# Altium PCB CANOPi_Topboard.PcbDoc (part 2 of 2) (continued)
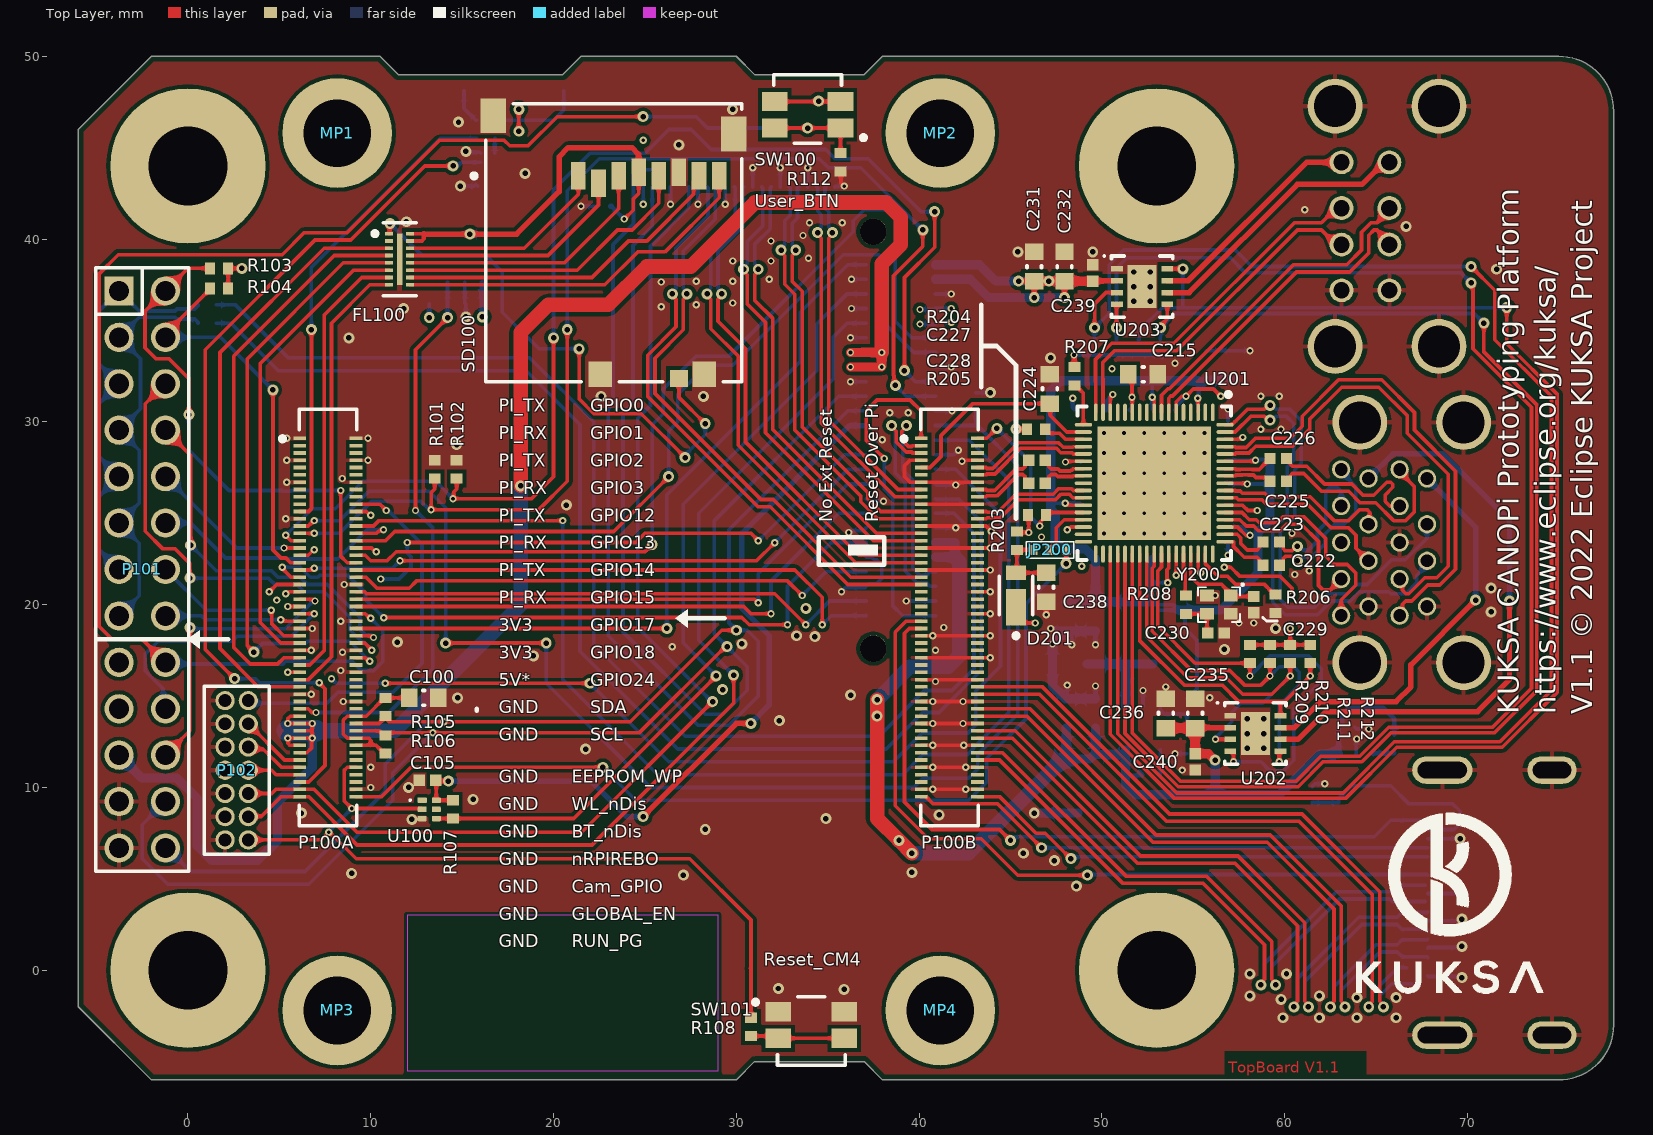
[diagram p0: Top Layer view]
## Nets (pads, with @x,y where several pads share a name; then routed paths per layer and width w, separated by ;. In a path a pad name is that pad's centre, name@x,y a point inside that pad or via, vN(x,y) a via of type N, cw(c..) or ccw(c..) an arc to the next point about the centre after c; other vN are vias at no path point) (continued)
  Bottom Layer w0.2: v2(60.5,-2) 60.5,-1.892 60.7,-1.692 60.7,-0.45 64.05,2.9 66.161,2.9 66.421,3.16 67.785,3.16 J100.9@67.825,3.2
HDMI0_D0_P: J100.7 P100B.82 | length 36.5
  Top Layer w0.2: P100B.82@43.19,13.1 45.266,13.1 52.116,6.25 57.45,6.25 61.1,2.6 61.1,-1.692 61.3,-1.892 v2(61.3,-2)
  Bottom Layer w0.2: v2(61.3,-2) 61.3,-1.892 61.1,-1.692 61.1,-0.616 64.216,2.5 66.161,2.5 66.421,2.24 67.785,2.24 J100.7@67.825,2.2
HDMI0_D1_N: J100.6 P100B.78 | length 36.7
  Top Layer w0.2: P100B.78@43.19,13.9 45.9,13.9 52.8,7 59.05,7 62.7,3.35 62.7,-1.692 62.5,-1.892 v2(62.5,-2)
  Bottom Layer w0.2: v2(62.5,-2) 62.5,-1.892 62.7,-1.692 62.7,-0.9 65,1.4 66.161,1.4 66.421,1.66 67.785,1.66 J100.6@67.825,1.7
HDMI0_D1_P: J100.4 P100B.76 | length 36.7
  Top Layer w0.2: P100B.76@43.19,14.3 46.066,14.3 52.966,7.4 59.216,7.4 63.1,3.516 63.1,-1.692 63.3,-1.892 v2(63.3,-2)
  Bottom Layer w0.2: v2(63.3,-2) 63.3,-1.892 63.1,-1.692 63.1,-1.1 65.2,1 66.161,1 66.421,0.74 67.785,0.74 J100.4@67.825,0.7
HDMI0_D2_N: J100.3 P100B.72 | length 35.7
  Top Layer w0.2: P100B.72@43.19,15.1 46.584,15.1 53.534,8.15 60.784,8.15 64.8,4.134 64.8,-1.692 64.6,-1.892 v2(64.6,-2)
  Bottom Layer w0.2: v2(64.6,-2) 64.6,-1.892 64.8,-1.692 64.8,-1.234 66.174,0.14 J100.3@66.667,0.14
HDMI0_D2_P: J100.1 P100B.70 | length 35.7
  Top Layer w0.2: P100B.70@43.19,15.5 46.75,15.5 53.7,8.55 60.95,8.55 65.2,4.3 65.2,-1.692 65.4,-1.892 v2(65.4,-2)
  Bottom Layer w0.2: v2(65.4,-2) 65.4,-1.892 65.2,-1.692 65.2,-1.4 65.86,-0.74 J100.1@66.95,-0.74
HDMI0_HOTPLUG: J100.19 P100B.53 | length 40.2
  Top Layer w0.2: P100B.53@40.12,18.7 40.11,18.7 39.466,18.7 39.2,18.434 39.2,9.2 40.7,7.7 44.4,7.7 v2(45,7.1)
  Bottom Layer w0.2: v2(45,7.1) 45.2,7.3 64.9,7.3 65.8,8.2 J100.19@67.825,8.2
HDMI0_SCL: J100.15 P100B.100 | length 26.1
  Top Layer w0.2: P100B.100@43.2,9.5 44.4,9.5 46.4,7.5 46.9,7.5 v2(48.3,6.1)
  Bottom Layer w0.2: v2(48.3,6.1) 48.4,6.2 J100.15@67.825,6.2
HDMI0_SDA: J100.16 P100B.99 | length 28.9
  Top Layer w0.2: P100B.99@40.12,9.5 40.37,9.5 40.77,9.1 44.3,9.1 v2(46.7,6.7)
  Bottom Layer w0.2: v2(46.7,6.7) 50.533,6.7 J100.16@67.825,6.7
HDMI_5V: C104.2 J100.18 U102.5 | length 11.8
  Bottom Layer w0.2: C104.2@61.5,9.15 61.525,9.175 U102.5@62.95,9.175 62.95,9.4 63.65,10.1 65.8,10.1 66.8,9.1 69.2,9.1 69.6,8.7 69.6,8.049 69.251,7.7 J100.18@67.825,7.7
MISO_CAN: J202.8 P100A.40 | length 29.2
  Top Layer w0.2: P100A.40@9.2,21.5 9.743,21.5 10.343,20.9 12.1,20.9 12.5,21.3 32.8,21.3 v1(33.6,20.5)
  Bottom Layer w0.2: v1(33.6,20.5) 34.9,21.8 J202.8@37.1,21.8
MOSI_CAN: J202.4 P100A.44 | length 29.2
  Top Layer w0.2: P100A.44@9.2,20.7 9.664,20.7 9.764,20.6 32.1,20.6 v1(33.8,18.9)
  Bottom Layer w0.2: v1(33.8,18.9) 35.1,20.2 J202.4@37.1,20.2
nCS1_CAN: J202.12 P100A.39 | length 37.9
  Top Layer w0.2: v1(5.15,22.05) 5.188,22.012 5.188,21.947 5.636,21.5 6.11,21.5 P100A.39@6.12,21.5 ; v1(10.712,19.288) 10.723,19.3 30.3,19.3 30.7,18.9 v1(32.8,18.9)
  Bottom Layer w0.2: v1(5.15,22.05) 6.143,22.05 6.693,21.5 7.107,21.5 7.207,21.6 8.757,21.6 9.715,20.642 9.715,20.285 v1(10.712,19.288) ; v1(32.8,18.9) 32.8,21 35.2,23.4 J202.12@37.1,23.4
nCS2_CAN: J202.22 P100A.37 | length 33.3
  Top Layer w0.2: P100A.37@6.12,21.9 6.746,21.9 6.846,22 v1(6.9,22) ; v1(11.6,22.4) 31.108,22.4 v1(32.1,23.392)
  Bottom Layer w0.2: v1(6.9,22) 11.2,22 v1(11.6,22.4) ; v1(32.1,23.392) 36.108,27.4 J202.22@37.1,27.4
NetC230_2: C230.2 R208.2 Y200.3 | length 2.5
  Top Layer w0.2: R208.2@54.6,19.65 54.75,19.5 55.6,19.5 55.75,19.65 Y200.3@55.75,19.5 55.75,18.5 C230.2@55.8,18.45
NetC238_1: C238.1 D201.2 JP200.3 R203.1 | length 3.6
  Top Layer w0.2: JP200.3@46.25,23 45.375,23 R203.1@45.35,23 45.35,22 45.55,21.8 45.6,21.75 C238.1@46.95,21.75
NetD100_C: D100.C R110.2 | length 5
  Bottom Layer w0.2: R110.2@16.8,46.5 20,46.5 20.55,47.05 D100.C@20.55,48.1
NetD101_C: D101.C R111.2 | length 1.9
  Bottom Layer w0.2: D101.C@15.1,48.1 15.1,47.15 15.75,46.5 R111.2@15.8,46.5
NetP101_1: P101.1 P101.5 P101.9 P101.13 R113.1 | length 22.9
  Bottom Layer w0.2: P101.13@-3.771,21.925 -4.871,23.025 -4.871,25.905 P101.9@-3.771,27.005 -4.871,28.105 -4.871,30.985 P101.5@-3.771,32.085 -4.871,33.185 -4.871,36.065 P101.1@-3.771,37.165 -2.671,36.065 -0.711,36.065 -0.601,36.175 0.375,36.175 0.55,36.35 R113.1@0.55,36.4
NetP101_3: P101.3 P101.7 P101.11 P101.15 R114.1 | length 23
  Bottom Layer w0.2: P101.15@-3.771,19.385 -2.671,20.485 -2.671,23.365 P101.11@-3.771,24.465 -2.671,25.565 -2.671,28.445 P101.7@-3.771,29.545 -2.6,30.716 -2.6,33.454 P101.3@-3.771,34.625 -2.671,35.725 -0.706,35.725 -0.606,35.625 0.375,35.625 0.55,35.45 R114.1@0.55,35.4
NetR108_2: R108.2 SW101.2 SW101.2' | length 5.2
  Top Layer w0.2: R108.2@30.8,-3.6 32.175,-3.6 SW101.2@32.3,-3.725 SW101.2'@35.9,-3.725
NetR110_1: R110.1 U103.4 | length 0.8
  Bottom Layer w0.2: U103.4@16.785,44.7 16.785,45.485 R110.1@16.8,45.5
NetR115_1: R115.1 U102.3 | length 1.2
  Bottom Layer w0.254: U102.3@64.85,11.825 64.887,11.863 65.963,11.863 R115.1@66,11.9
NetR201_1: R201.1 U200.4 | length 1.4
  Bottom Layer w0.2: R201.1@53.2,10.65 U200.4@53.2,12.05
NetR204_2: R204.2 U201.20 | length 2.3
  Top Layer w0.2: R204.2@46.9,29.6 46.9,29.55 47.075,29.375 47.679,29.375 48.009,29.045 U201.20@48.988,29.045
NetR206_2: R206.2 U201.50 | length 5
  Top Layer w0.2: U201.50@55.663,22.77 55.663,22.229 56.342,21.55 56.875,21.55 57.3,21.125 58.875,21.125 59.3,20.7 R206.2@59.5,20.7
NetR207_2: R207.2 U201.18 | length 2.4
  Top Layer w0.2: R207.2@48.5,32 48.55,32 48.988,31.562 U201.18@48.988,29.845
nINT1_CAN: J202.16 P100A.48 | length 31.4
  Top Layer w0.2: P100A.48@9.2,19.9 30.4,19.9 30.8,19.5 v1(31.9,19.5)
  Bottom Layer w0.2: v1(31.9,19.5) 31.9,21.3 35.6,25 J202.16@37.1,25
nINT2_CAN: J202.20 P100A.46 | length 31.6
  Top Layer w0.2: P100A.46@9.2,20.3 31,20.3 v1(31.2,20.1)
  Bottom Layer w0.2: v1(31.2,20.1) 31.2,21.7 36.1,26.6 J202.20@37.1,26.6
nLED_Activity: P100A.21 R111.1 | length 25.9
  Top Layer w0.2: P100A.21@6.12,25.1 6.594,25.1 6.76,25.266 6.76,35.04 v2(6.75,35.05)
  Bottom Layer w0.2: v2(6.75,35.05) 6.75,38.45 13.8,45.5 R111.1@15.8,45.5
nPWR_LED: P100A.95 U103.2 | length 49.1
  Top Layer w0.2: v2(2.55,15.95) 0.95,17.55 0.95,33.95 6.95,39.95 8.9,39.95 12.95,44 v2(14.5,44) ; P100A.95@6.12,10.3 6.6,10.3 7.5,11.2 7.5,15.4 v1(7.175,15.725)
  Bottom Layer w0.2: v2(2.55,15.95) 3.7,15.95 3.925,15.725 v1(7.175,15.725) ; v2(14.5,44) 14.75,44 14.95,44.2 U103.2@16.015,44.2
nRES_USB: JP200.2 P100A.100 | length 50.8
  Top Layer w0.2: P100A.100@9.19,9.5 10.6,9.5 12.2,11.1 v2(22.7,11.1) ; v2@48.042,22.25 48.048,22.256 48.048,22.998 JP200.2@48.05,23
  Bottom Layer w0.2: v2(22.7,11.1) 24.5,9.3 42.7,9.3 43.7,10.3 43.7,11.6 45.85,13.75 45.85,20.054 v2(48.046,22.25)
nRPIBOOT: P100A.93 P102.8 | length 2.9
  Top Layer w0.2: P102.8@3.3,10.94 4.58,10.94 4.82,10.7 P100A.93@6.11,10.7
PCIe_CLK_N: P100B.12 U201.22 | length 6.5
  Top Layer w0.2: P100B.12@43.19,27.1 43.664,27.1 43.714,27.15 44.15,27.15 45.55,28.55 47.514,28.55 47.755,28.309 48.384,28.309 48.447,28.245 U201.22@48.988,28.245
PCIe_CLK_nREQ: P100B.2 R205.2 U201.30 | length 10.7
  Top Layer w0.2: P100B.2@43.2,29.1 43.7,29.1 v2(44.25,29.65) ; v1(46.6,24.3) 46.638,24.338 46.638,24.538 46.95,24.85 R205.2@46.95,24.9 R205.2@47,24.85 ; R205.2@47.1,24.75 R205.2@47,24.85 ; U201.30@48.988,25.045 47.125,25.045 47,24.92 R205.2@47,24.85
  Bottom Layer w0.2: v2(44.25,29.65) 46.1,27.8 46.1,24.8 v1(46.6,24.3)
PCIe_CLK_P: P100B.10 U201.21 | length 6.5
  Top Layer w0.2: P100B.10@43.19,27.5 43.664,27.5 43.714,27.45 44.026,27.45 45.426,28.85 47.638,28.85 47.88,28.609 48.411,28.609 48.447,28.645 U201.21@48.988,28.645 U201.21@49,28.645
PCIe_nRST: C224.1 P100B.9 U201.19 | length 12
  Top Layer w0.2: P100B.9@40.11,27.5 40.6,27.5 41.2,28.1 41.2,29.25 42.95,31 C224.1@47.15,31 47.174,30.976 47.174,30.35 48.079,29.445 U201.19@48.988,29.445
PCIe_RX_N: C228.2 P100B.18 | length 3.6
  Top Layer w0.2: P100B.18@43.19,25.9 43.664,25.9 43.714,25.95 44.256,25.95 45.431,27.125 45.673,27.125 45.79,27.008 45.79,26.86 C228.2@46,26.65
PCIe_RX_P: C227.2 P100B.16 | length 3.6
  Top Layer w0.2: P100B.16@43.19,26.3 43.44,26.3 43.664,26.3 43.714,26.25 44.131,26.25 45.306,27.425 45.673,27.425 45.79,27.542 45.79,27.69 C227.2@46,27.9
PCIe_TX_N: P100B.24 U201.28 | length 6.4
  Top Layer w0.2: P100B.24@43.19,24.7 43.674,24.7 43.724,24.75 44.45,24.75 45.44,25.74 47.459,25.74 47.768,26.05 48.207,26.05 48.412,25.845 U201.28@48.988,25.845
PCIe_TX_P: P100B.22 U201.27 | length 6.4
  Top Layer w0.2: P100B.22@43.19,25.1 43.44,25.1 43.674,25.1 43.724,25.05 44.3,25.05 45.29,26.04 47.334,26.04 47.644,26.35 48.331,26.35 48.436,26.245 U201.27@48.988,26.245
PEXTX_N: C228.1 U201.25 | length 2.4
  Top Layer w0.2: C228.1@46.9,26.65 47.11,26.86 47.11,27.008 47.227,27.125 47.469,27.125 47.586,27.009 48.389,27.009 48.426,27.045 U201.25@48.988,27.045
PEXTX_P: C227.1 U201.24 | length 2.5
  Top Layer w0.2: C227.1@46.9,27.9 47.11,27.69 47.11,27.542 47.227,27.425 47.594,27.425 47.71,27.309 48.265,27.309 48.301,27.345 48.347,27.345 48.447,27.445 U201.24@48.988,27.445
PI-RX_STN-TX: J202.17 R114.2 | length 71.7
  Bottom Layer w0.2: R114.2@1.55,35.4 2.35,35.4 4.95,32.8 18.5,32.8 21.45,29.85 21.45,17.45 26.8,12.1 38.2,12.1 40.2,14.1 41.093,14.1 43.4,16.407 43.4,24.55 42.2,25.75 40.95,25.75 J202.17@40.9,25.8
PI-TX_STN-RX: J202.15 R113.2 | length 69.9
  Bottom Layer w0.2: R113.2@1.55,36.4 2.6,36.4 5.5,33.5 18.7,33.5 22.2,30 22.2,17.8 27.2,12.8 37.8,12.8 40.3,15.3 41.8,15.3 43,16.5 43,23.907 41.907,25 J202.15@40.9,25
RESET_LTE_MODUL: J202.31 P100A.27 R101.1 | length 67.3
  Top Layer w0.2: P100A.27@6.11,23.9 v1(6.9,23.9) ; R101.1@13.5,26.9 13.5,26.325 13.3,26.125 v1(13.3,25.2) 19.2,25.2 20.75,26.75 v2(20.75,35.05) ; v2(38.7,32) 38.623,32.077 38.623,32.528 38.6,32.551 38.6,38 40.2,39.6 v2(40.2,40.5)
  Bottom Layer w0.2: v1(6.9,23.9) 8.293,23.9 10.043,25.65 12.75,25.65 13.2,25.2 v1(13.3,25.2) ; v2(20.75,35.05) 20.75,42.65 22.5,44.4 34.54,44.4 35.04,43.9 36.8,43.9 v2(40.2,40.5) ; v2(38.7,32) 39.3,31.4 J202.31@40.9,31.4
RPI_RUNNING: J202.46 R107.1 U100.4 | length 44.9
  Top Layer w0.2: U100.4@13.585,8.3 R107.1@14.5,8.3 21.1,8.3 v2(28.9,16.1)
  Bottom Layer w0.2: v2(28.9,16.1) 27.1,17.9 27.1,25.5 34.4,32.8 34.4,35.35 36.05,37 J202.46@37.1,37
RUN_PG: P100A.92 P102.14 R108.1 U100.2 | length 43.7
  Top Layer w0.2: P102.14@3.3,7.13 7.288,7.13 v1(7.7,7.542) 7.758,7.542 9.2,6.1 27.45,6.1 30.8,2.75 30.8,0.075 ; P100A.92@9.19,11.1 8.716,11.1 8.54,10.924 8.54,9.276 v1(8.966,8.85) 12.765,8.85 U100.2@12.815,8.8 ; 30.775,0.1 30.8,0.075 ; R108.1@30.8,-2.6 30.8,0.075
  Bottom Layer w0.2: v1(7.7,7.542) 7.7,7.584 v1(8.966,8.85)
SCK_CAN: J202.2 P100A.38 | length 30.3
  Top Layer w0.2: P100A.38@9.2,21.9 33.2,21.9 34.7,20.4 v1(34.7,18.9)
  Bottom Layer w0.2: v1(34.7,18.9) 35.2,19.4 J202.2@37.1,19.4 J202.2@37.075,19.425
SCL0: J101.3 J202.30 P100A.80 P101.26 R105.1 | length 102.7
  Top Layer w0.2: P100A.80@9.19,13.5 10.45,13.5 10.8,13.85 R105.1@10.8,13.9 R105.1@10.75,13.9 ; R105.1@10.8,13.8 11,13.6 v1(14,13.6) 24.2,13.6 29.2,18.6 v2(30,18.6)
  Bottom Layer w0.2: P101.26@-1.231,6.685 -1.145,6.685 0.14,5.4 6.4,5.4 10.8,9.8 10.8,11.3 13.1,13.6 v1(14,13.6) ; J101.3@25.9,42.85 25.85,42.9 25.85,43.624 25.674,43.8 24.626,43.8 24.375,43.549 24.375,40.825 23.25,39.7 23.25,30.95 23,30.7 23,18.3 27.9,13.4 29.6,13.4 31.2,15 31.2,18 30.6,18.6 v2(30,18.6) 29.6,19 29.6,24.1 36.1,30.6 J202.30@37.1,30.6
SD_CLK: FL100.6 P100A.57 | length 26
  Top Layer w0.2: P100A.57@6.11,17.9 5.077,17.9 3.95,19.027 3.95,33.2 9.05,38.3 FL100.6@11,38.3
SD_CMD: FL100.5 P100A.62 | length 34
  Top Layer w0.2: v2(3.6,17.4) 3.25,17.75 3.25,33.45 8.5,38.7 FL100.5@11,38.7 ; P100A.62@9.2,17.1 9.696,17.1 9.896,16.9 v1(9.95,16.9)
  Bottom Layer w0.2: v2(3.6,17.4) 4.075,17.875 6.418,17.875 6.543,18 8.843,18 9.943,16.9 v1(9.95,16.9)
SD_DAT0: FL100.7 P100A.63 | length 24.4
  Top Layer w0.2: P100A.63@6.11,16.7 6.657,16.7 7.45,17.493 7.45,35.85 9.5,37.9 FL100.7@11,37.9
SD_DAT1: FL100.8 P100A.67 | length 24.5
  Top Layer w0.2: P100A.67@6.11,15.9 6.594,15.9 7.85,17.156 7.85,35.4 9.95,37.5 FL100.8@11,37.5
SD_DAT2: FL100.3 P100A.69 | length 33
  Top Layer w0.2: P100A.69@6.11,15.5 3.85,15.5 1.75,17.6 1.75,33.8 7.45,39.5 FL100.3@11,39.5
SD_DAT3: FL100.4 P100A.61 | length 30.9
  Top Layer w0.2: P100A.61@6.11,17.1 5.249,17.1 4.899,16.75 3.402,16.75 2.5,17.651 2.5,33.6 8,39.1 FL100.4@11,39.1
SD_PWR_ON: P100A.75 R109.2 U101.3 | length 30.6
  Top Layer w0.2: P100A.75@6.11,14.3 6.584,14.3 6.784,14.1 v1(7,14.1) ; v1(12.45,25.15) 12.45,33.95 v2(14.2,35.7)
  Bottom Layer w0.2: v1(7,14.1) 11,14.1 13.4,16.5 13.4,24.2 v1(12.45,25.15) ; v2(14.2,35.7) R109.2@14.2,36.45 U101.3@14.2,37.625
SDA0: J101.2 J202.32 P100A.82 P101.24 R106.1 | length 102.2
  Top Layer w0.2: P100A.82@9.19,13.1 10.5,13.1 10.75,12.85 R106.1@10.8,12.85 10.95,13 v1(13.4,13) 24.7,13 29.4,17.7 v2(29.5,17.7)
  Bottom Layer w0.2: P101.24@-1.231,9.225 -2.5,7.956 -2.5,6.1 -1.1,4.7 6.6,4.7 11.2,9.3 11.2,10.8 v1(13.4,13) ; J101.2@25.4,42.85 25.4,40.7 24.35,39.65 24.35,31.05 23.8,30.5 23.8,18.5 28.3,14 29.283,14 30.6,15.317 30.6,16.6 v2(29.5,17.7) 28.8,18.4 28.8,24.6 35.6,31.4 J202.32@37.1,31.4
SSRX1_N: J200.14 U201.56 | length 12
  Top Layer w0.2: U201.56@56.738,25.045 57.671,25.045 58.066,24.65 58.452,24.65 58.625,24.478 59.578,24.478 59.9,24.8 61.073,24.8 62.25,23.623 62.25,22.65 62.7,22.2 63.421,22.2 63.89,21.731 63.89,21.069 63.09,20.269 J200.14@63.09,19.4
SSRX1_P: J200.15 U201.55 | length 9.9
  Top Layer w0.2: U201.55@56.738,24.645 57.548,24.645 57.893,24.3 58.307,24.3 58.557,24.05 59.75,24.05 60.1,24.4 60.907,24.4 61.85,23.457 61.85,21.05 62.1,20.8 62.49,20.8 J200.15@63.09,21.4
SSRX2_N: J200.5 U201.65 | length 26.9
  Top Layer w0.2: U201.65@56.738,28.645 57.279,28.645 57.329,28.595 57.664,28.595 57.669,28.6 57.9,28.6 58.4,29.1 60.3,29.1 60.956,29.756 60.956,30.306 62.95,32.3 65.316,32.3 67.1,30.516 67.1,29.55 69.35,27.3 69.35,21.934 68.491,21.076 67.834,21.076 66.959,20.2 66.627,20.2 66.443,20.016 66.443,19.553 J200.5@66.29,19.4
SSRX2_P: J200.6 U201.64 | length 25.5
  Top Layer w0.2: U201.64@56.738,28.245 57.279,28.245 57.329,28.295 57.788,28.295 57.793,28.3 58.05,28.3 58.413,28.663 60.428,28.663 61.38,29.614 61.38,30.164 63.116,31.9 65.15,31.9 66.7,30.35 66.7,29.384 68.95,27.134 68.95,22.1 68.326,21.476 67.669,21.476 66.793,20.6 66.627,20.6 66.443,20.784 66.443,21.247 J200.6@66.29,21.4
SSTX1_HUB_N: C223.2 U201.53 | length 2.8
  Top Layer w0.2: U201.53@56.738,23.845 57.399,23.845 57.6,23.644 57.6,23.343 57.893,23.05 57.9,23.05 57.959,22.991 58.486,22.991 58.603,23.108 58.603,23.216 C223.2@58.813,23.426
SSTX1_HUB_P: C222.2 U201.52 | length 2.8
  Top Layer w0.2: U201.52@56.738,23.445 57.2,23.445 57.2,23.177 57.727,22.65 57.734,22.65 57.793,22.591 58.486,22.591 58.603,22.474 58.603,22.366 C222.2@58.813,22.156
SSTX1_N: C223.1 J200.17 | length 7.5
  Top Layer w0.2: C223.1@59.713,23.426 59.923,23.216 59.923,23.058 60.04,22.941 60.383,22.941 60.633,23.191 v2(60.7,23.191)
  Bottom Layer w0.2: v2(60.7,23.191) 60.808,23.191 61.008,22.991 61.3,22.991 61.794,23.485 61.794,24.011 62.25,24.467 62.25,26.2 62.45,26.4 62.89,26.4 63.09,26.2 J200.17@63.09,25.4
SSTX1_P: C222.1 J200.18 | length 8.7
  Top Layer w0.2: C222.1@59.713,22.156 59.923,22.366 59.923,22.524 60.04,22.641 60.383,22.641 60.633,22.391 v2(60.7,22.391)
  Bottom Layer w0.2: v2(60.7,22.391) 60.808,22.391 61.008,22.591 61.466,22.591 62.194,23.32 62.194,23.846 62.737,24.389 63.239,24.389 63.89,25.04 63.89,26.469 63.09,27.269 J200.18@63.09,27.4
SSTX2_HUB_N: C226.2 U201.62 | length 2.7
  Top Layer w0.2: U201.62@56.738,27.445 57.279,27.445 57.329,27.395 57.564,27.395 57.569,27.4 58.231,27.4 58.236,27.395 58.602,27.395 58.9,27.693 58.9,27.7 C226.2@59.2,28
SSTX2_HUB_P: C225.2 U201.61 | length 2.6
  Top Layer w0.2: U201.61@56.738,27.045 57.279,27.045 57.329,27.095 57.688,27.095 57.693,27.1 58.019,27.1 58.024,27.095 58.3,27.095 58.435,26.96 58.99,26.96 C225.2@59.2,26.75
SSTX2_N: C226.1 J200.8 | length 9.1
  Top Layer w0.2: C226.1@60.1,28 60.31,27.79 60.31,27.692 60.427,27.575 61.208,27.575 62.183,26.6 63.666,26.6 64.283,25.983 64.867,25.983 65.584,26.7 65.8,26.7 65.917,26.583 65.917,26.417 65.5,26 65.5,25.65 65.75,25.4 J200.8@66.29,25.4
SSTX2_P: C225.1 J200.9 | length 11.1
  Top Layer w0.2: C225.1@60.1,26.75 60.31,26.96 60.31,27.058 60.427,27.175 61.042,27.175 62.018,26.2 63.5,26.2 64.117,25.583 64.976,25.583 65.959,24.6 66.621,24.6 67.09,25.069 67.09,26.469 66.29,27.269 J200.9@66.29,27.4
SSXI: R208.1 U201.47 | length 2
  Top Layer w0.2: U201.47@54.463,22.77 54.463,21.924 54.563,21.824 54.563,20.807 54.543,20.787
SSXO: C229.2 U201.48 Y200.1 | length 5.2
  Top Layer w0.2: U201.48@54.863,22.77 54.863,21.537 55.275,21.125 56.525,21.125 57.2,20.45 58.15,20.45 C229.2@58.3,20.6
STN_RUNNING: J202.50 P100A.54 | length 42
  Top Layer w0.2: P100A.54@9.2,18.7 v2(26.2,18.7)
  Bottom Layer w0.2: v2(26.2,18.7) 26.2,26 33.5,33.3 33.5,36 36.1,38.6 J202.50@37.1,38.6
SW: D200.1 L200.1 U200.1 | length 6
  Bottom Layer w0.254: L200.1@51.3,16.65 L200.1@51.4,16.75 ; L200.1@52.8,16.75 L200.1@52.85,16.7
  Bottom Layer w0.5: D200.1@49.2,16.75 51.4,16.75 L200.1@52.8,16.75 ; U200.1@51.3,14.45 L200.1@51.3,16.65
TURN_OFF_GNSS: J202.21 P100A.47 | length 60.9
  Top Layer w0.2: v1(5.45,19.9) 6.11,19.9 P100A.47@6.12,19.9 ; v1(10.8,15.7) v2(22,15.7)
  Int2 (Sign) w0.2: v1(5.45,19.9) 6.1,19.25 6.1,16.6 6.475,16.225 7.575,16.225 v1(7.85,15.95)
  Bottom Layer w0.2: v1(7.85,15.95) 8.1,15.7 v1(10.8,15.7) ; v2(22,15.7) 26.3,11.4 38.6,11.4 40.175,12.975 42.675,12.975 43.1,13.4 43.1,15.276 44.45,16.626 44.45,24.95 42,27.4 J202.21@40.9,27.4
TURN_OFF_WWAN: J202.25 P100A.26 | length 65.8
  Top Layer w0.2: P100A.26@9.2,24.3 10.146,24.3 10.446,24.6 v1(20.5,24.6)
  Bottom Layer w0.2: v1(20.5,24.6) 20.5,15.9 25.7,10.7 39.1,10.7 40.2,11.8 42.657,11.8 42.95,12.093 42.95,12.15 44.9,14.1 44.9,26.85 42.75,29 J202.25@40.9,29
USB2D1_N: J200.11 U201.59 | length 9.6
  Top Layer w0.2: U201.59@56.738,26.245 57.279,26.245 57.304,26.22 57.555,26.22 57.68,26.095 58.905,26.095 59.1,25.9 61.4,25.9 62.7,24.6 62.759,24.6 63.421,24.6 63.5,24.6 64.1,25.2 64.5,25.2 64.65,25.05 64.65,24.46 J200.11@64.59,24.4
USB2D1_P: J200.12 U201.58 | length 9.7
  Top Layer w0.2: U201.58@56.738,25.845 57.362,25.845 57.462,25.745 58.76,25.745 59.005,25.5 61.25,25.5 62.55,24.2 63.5,24.2 63.9,23.8 63.9,23.09 J200.12@64.59,22.4
USB2D2_N: J200.2 U201.68 | length 25.7
  Top Layer w0.2: U201.68@56.738,29.845 57.122,29.845 57.977,30.7 58.892,30.7 59.092,30.9 v2(59.2,30.9)
  Bottom Layer w0.2: v2(59.2,30.9) 59.308,30.9 59.508,30.7 60.266,30.7 60.9,30.066 60.9,27.734 60.55,27.384 60.55,24.773 59.75,23.973 59.75,20.3 60.2,19.85 61.625,19.85 62.375,20.6 63.421,20.6 63.921,21.1 64.5,21.1 65.85,22.45 66.6,22.45 67.79,23.64 J200.2@67.79,24.4
USB2D2_P: J200.3 U201.67 | length 25.3
  Top Layer w0.2: U201.67@56.738,29.445 57.288,29.445 58.143,30.3 58.892,30.3 59.092,30.1 v2(59.2,30.1)
  Bottom Layer w0.2: v2(59.2,30.1) 59.308,30.1 59.508,30.3 60.1,30.3 60.5,29.9 60.5,27.9 60.15,27.55 60.15,24.939 59.35,24.139 59.35,20.134 60.034,19.45 61.791,19.45 62.541,20.2 62.759,20.2 63.587,20.2 64.087,20.7 65.7,20.7 65.8,20.6 66.621,20.6 67.229,21.207 67.229,21.593 67.67,22.034 67.67,22.52 J200.3@67.79,22.4
USB2D3_N: J201.2 U201.8 | length 18.3
  Top Layer w0.2: U201.8@53.263,30.52 53.263,31.461 53.614,31.812 53.696,31.812 60.484,38.6 63.4,38.6 64.2,39.4 64.2,40.379 64.721,40.9 65.052,40.9 65.641,41.489 J201.2@65.43,41.7
USB2D3_P: J201.3 U201.7 | length 17.7
  Top Layer w0.2: U201.7@53.663,30.52 53.663,31.295 53.78,31.412 53.862,31.412 60.65,38.2 63.566,38.2 64.6,39.234 64.6,40.213 64.887,40.5 65.052,40.5 65.641,39.911 J201.3@65.43,39.7
USB2D4_N: J201.6 U201.17 | length 19.8
  Top Layer w0.2: U201.17@49.663,30.52 49.663,32.183 49.65,32.196 49.65,33.416 50.534,34.3 53.934,34.3 60.534,40.9 62.01,40.9 62.81,41.7 J201.6@63.11,41.7
USB2D4_P: J201.7 U201.16 | length 19.1
  Top Layer w0.2: U201.16@50.063,30.52 50.063,32.349 50.05,32.362 50.05,33.25 50.7,33.9 54.1,33.9 60.7,40.5 62.01,40.5 62.81,39.7 J201.7@63.11,39.7
USB_OTG: J202.1 P100B.1 | length 18.8
  Top Layer w0.2: v1(38.1,28) 37.1,29 37.1,30.6 37.7,31.2 39.5,31.2 40.11,30.59 P100B.1@40.11,29.1
  Bottom Layer w0.2: v1(38.1,28) 38.1,26.307 38.55,25.857 38.55,19.95 39.1,19.4 J202.1@40.9,19.4
USB_UP_N: J202.7 P100B.3 | length 11.7
  Top Layer w0.2: v2(39.3,29.8) 39.3,29.733 39.05,29.483 39.05,29.02 39.42,28.65 39.586,28.65 39.636,28.7 P100B.3@40.11,28.7
  Bottom Layer w0.2: v2(39.3,29.8) 39.3,29.692 39.1,29.492 39.1,27.366 39.65,26.816 39.65,22 40.05,21.6 40.4,21.6 40.6,21.8 J202.7@40.9,21.8
USB_UP_P: J202.5 P100B.5 | length 12.9
  Top Layer w0.2: v2(38.5,29.8) 38.5,29.733 38.75,29.483 38.75,28.896 39.296,28.35 39.586,28.35 39.636,28.3 P100B.5@40.11,28.3
  Bottom Layer w0.2: v2(38.5,29.8) 38.5,29.692 38.7,29.492 38.7,27.2 39.25,26.65 39.25,21.834 39.884,21.2 40.4,21.2 40.6,21 J202.5@40.9,21
VBUS1: J200.10 U202.6 | length 32.4
  Top Layer w0.3: U202.6@59.775,12.625 60.725,12.625 62.25,14.15 70.55,14.15 72.3,15.9 v2(72.3,20.2)
  Bottom Layer w0.3: J200.10@64.59,26.9 64.59,26.918 65.922,28.25 68.65,28.25 72.3,24.6 v2(72.3,20.2)
VBUS2: J200.1 U202.7 | length 22
  Top Layer w0.3: U202.7@59.775,13.275 60.525,13.275 61.95,14.7 66.1,14.7 66.9,15.5 66.9,16.7 v2(70.45,20.25)
  Bottom Layer w0.3: J200.1@67.79,26.9 70.45,24.24 v2(70.45,20.25)
VBUS3: J201.1 U203.6 | length 15.1
  Top Layer w0.3: U203.6@53.575,37.075 54.775,37.075 60.7,43 64.23,43 65.43,44.2 J201.1@65.73,44.2
VBUS4: J201.5 U203.7 | length 12.2
  Top Layer w0.3: U203.7@53.575,37.725 54.725,37.725 61.2,44.2 J201.5@63.11,44.2
VDD_SD: C101.2 FL100.15 FL100.16 SD100.4 U101.5 | length 22.4
  Top Layer w0.2: FL100.15@12.15,39.9 12.8,39.9 12.9,40 12.9,40.3 ; FL100.16@12.15,40.3 12.899,40.3 ; v1(23.875,41.1) 24.36,41.585 24.36,42.2 24.66,42.5 SD100.4@24.66,43.66
  Top Layer w0.3: 12.9,40.3 12.925,40.275 v2(15.425,40.275) 17.975,40.275 20.3,42.6 20.3,44.5 20.8,45 24.3,45 24.66,44.64 SD100.4@24.66,43.66
  Bottom Layer w0.2: C101.2@23.15,41.8 23.85,41.1 v1(23.875,41.1)
  Bottom Layer w0.3: v2(15.425,40.275) U101.5@16.1,40.275 ; C101.2@23.14,41.79 C101.2@23.15,41.8
WL_nDisable: P100A.89 P102.4 | length 3.6
  Top Layer w0.2: P102.4@3.3,13.48 5.28,11.5 P100A.89@6.11,11.5
WP/CD: FL100.1 SD100.9 | length 30.3
  Top Layer w0.2: FL100.1@11,40.3 11.025,40.3 11.025,40.825 v2(11.05,40.85) ; v2(21.4,34) 21.4,31.25 22.2,30.45 24.8,30.45 v2(27.2,28.05) ; SD100.9@26.86,32.375 26.86,31.34 v2(28.3,29.9)
  Bottom Layer w0.2: v2(11.05,40.85) 12.8,39.1 16.3,39.1 17.2,38.2 17.2,36 19.2,34 v2(21.4,34) ; v2(27.2,28.05) 27.2,28.2 28.3,29.3 v2(28.3,29.9)
pads on no net: D100.M1 D101.M1 FL100.2 J100.14 J101.5 J101.M J202.M MP1.1 MP2.1 MP3.1 MP4.1 P100A.3 P100A.4 P100A.5 P100A.6 P100A.9 P100A.10 P100A.11 P100A.12 P100A.15 P100A.16 P100A.17 P100A.18 P100A.19 P100A.64 P100A.68 P100A.70 P100A.72 P100A.73 P100A.76 P100A.88 P100A.90 P100A.94 P100A.96 P100B.4 P100B.6 P100B.11 P100B.28 P100B.30 P100B.34 P100B.36 P100B.40 P100B.42 P100B.43 P100B.45 P100B.46 P100B.47 P100B.48 P100B.49 P100B.52 P100B.54 P100B.57 P100B.58 P100B.59 P100B.60 P100B.63 P100B.64 P100B.65 P100B.66 P100B.69 P100B.71 P100B.75 P100B.77 P100B.81 P100B.83 P100B.87 P100B.89 P100B.93 P100B.94 P100B.95 P100B.96 U100.1 U100.5 U101.4 U102.4 U103.1 U103.5 U201.1 U201.2 U201.4 U201.5 U201.10 U201.11 U201.13 U201.14 U201.26 U201.33 U201.34 U201.35 U201.36 U201.51

## Polygon pours and split planes (outlines as drawn)
3V3 on Bottom Layer "Bottom Layer-3V3" (solid, remove dead copper, pour order 16): -6,46 -2,50 78,50 78,-6 -2,-6 -6,-2
GND on Bottom Layer "Bottom Layer-GND" (solid, pour order 12): 49.75,29.8 55.95,29.8 55.95,23.6 49.75,23.6
GND on Top Layer "Top Layer-GND" (solid, remove dead copper, pour order 18): -6,46 -2,50 78,50 78,-6 -2,-6 -6,-2
GND on Int3 (Sign) "Int3 (Sign)-GND" (solid, remove dead copper, pour order 8): -2,50 80,50 80,-6 -2,-6 -6,-2 -6,46
GND on Int2 (Sign) "Int2 (Sign)-GND" (solid, remove dead copper, pour order 6): -2,50 -1.8,49.8 78,49.8 78,-6 -2,-6 -6,-2 -6,46

## Keep-outs
Top Layer:
  rectangle: 12,-5.5 29,3
Int2 (Sign):
  rectangle: 12,-5.5 29,3
Int3 (Sign):
  rectangle: 12,-5.5 29,3
Bottom Layer:
  rectangle: 12,-5.5 29,3

## Other copper
Top Layer:
  pour cut-out: 49.5,30 56.2,30 56.2,23.3 49.5,23.3
  text "TopBoard V1.1" at 56.9,-5.616 h0.6

## Silkscreen, mask and mechanical layers (free items; w line width, h text height)
Top Overlay:
  drawing of 24 lines, arcs and shapes, not listed
  text "User_BTN" at 31,41.5 h1.2
  text "PI_TX" at 17,30.3 h1.2
  text "GPIO0" at 22,30.3 h1.2
  text "PI_RX" at 17,28.8 h1.2
  text "GPIO1" at 22,28.8 h1.2
  text "PI_TX" at 17,27.3 h1.2
  text "GPIO2" at 22,27.3 h1.2
  text "PI_RX" at 17,25.8 h1.2
  text "GPIO3" at 22,25.8 h1.2
  text "No Ext Reset" at 35.5,24.5 h1.2 r90
  text "Reset Over Pi" at 38,24.5 h1.2 r90
  text "PI_TX" at 17,24.3 h1.2
  text "GPIO12" at 22,24.3 h1.2
  text "PI_RX" at 17,22.8 h1.2
  text "GPIO13" at 22,22.8 h1.2
  text "PI_TX" at 17,21.3 h1.2
  text "GPIO14" at 22,21.3 h1.2
  text "PI_RX" at 17,19.8 h1.2
  text "GPIO15" at 22,19.8 h1.2
  text "3V3" at 17,18.3 h1.2
  text "GPIO17" at 22,18.3 h1.2
  text "3V3" at 17,16.8 h1.2
  text "GPIO18" at 22,16.8 h1.2
  text "5V*" at 17,15.3 h1.2
  text "GPIO24" at 22,15.3 h1.2
  text "KUKSA CANOPi Prototyping Platform / https://www.eclipse.org/kuksa/ / V1.1 © 2022 Eclipse KUKSA Project" at 77.2,14 h2 r90
  text "GND" at 17,13.8 h1.2
  text "SDA" at 22,13.8 h1.2
  text "GND" at 17,12.3 h1.2
  text "SCL" at 22,12.3 h1.2
  text "GND" at 17,10 h1.2
  text "EEPROM_WP" at 21,10 h1.2
  text "GND" at 17,8.5 h1.2
  text "WL_nDis" at 21,8.5 h1.2
  text "GND" at 17,7 h1.2
  text "BT_nDis" at 21,7 h1.2
  text "GND" at 17,5.5 h1.2
  text "nRPIREBO" at 21,5.5 h1.2
  text "GND" at 17,4 h1.2
  text "Cam_GPIO" at 21,4 h1.2
  text "GND" at 17,2.5 h1.2
  text "GLOBAL_EN" at 21,2.5 h1.2
  text "GND" at 17,1 h1.2
  text "RUN_PG" at 21,1 h1.2
  text "Reset_CM4" at 31.5,0 h1.2
Bottom Overlay:
  lines w0.254: 22.403,49.5 29.6,49.5
  text "ACT" at 13,45 h1.2
  text "PWR" at 21,45 h1.2
  text "22" at 25.5,40.5 h1.2
  text "1" at 35.5,40.5 h1.2
Mechanical 1:
  lines w0.254: -6,-2 -6,46 -2,50 10,50 10.5,50 11.5,49 20.5,49 21.5,50 30,50 31,49 37,49 38,50 74.5,50 75,50 cw(c75,47) 78,47 78,-3 cw(c75,-3) 75,-6 38,-6 37,-5 31,-5 30,-6 -2,-6 -6,-2

## Text inside footprints (layer, text, board x,y; h text height)
J100: Bottom Mechanical 13/Mechanical 14 (Mech14) "PCB Edge" at 79.03,5.689 h0.7 r90
J200: Bottom Overlay "USB3.0" at 69.41,20.098 h0.7 r270
J201: Bottom Overlay "USB2.0" at 67.9,38.8 h0.7 r270
JP200: Top Mechanical 13/Mechanical 14 (Mech13) "2" at 48.083,22.886 h0.7 r180; Top Mechanical 13/Mechanical 14 (Mech13) "1" at 47.167,22.886 h0.7 r180; Top Mechanical 13/Mechanical 14 (Mech13) "3" at 46.283,22.886 h0.7 r180